# Altium PCB thermal_cam_sensor_jlc.PcbDoc (part 4 of 5)
Units mm, origin at the board's own origin, x right, y up, seen from the top; angles counter-clockwise.
Board outline 100 x 100 mm, 6 copper layers (Top Layer, GND1, Power1, Power2, GND2, Bottom Layer), stack 1.538 mm thick; 1209 components, 122 nets, 3633 pads, 2406 vias.
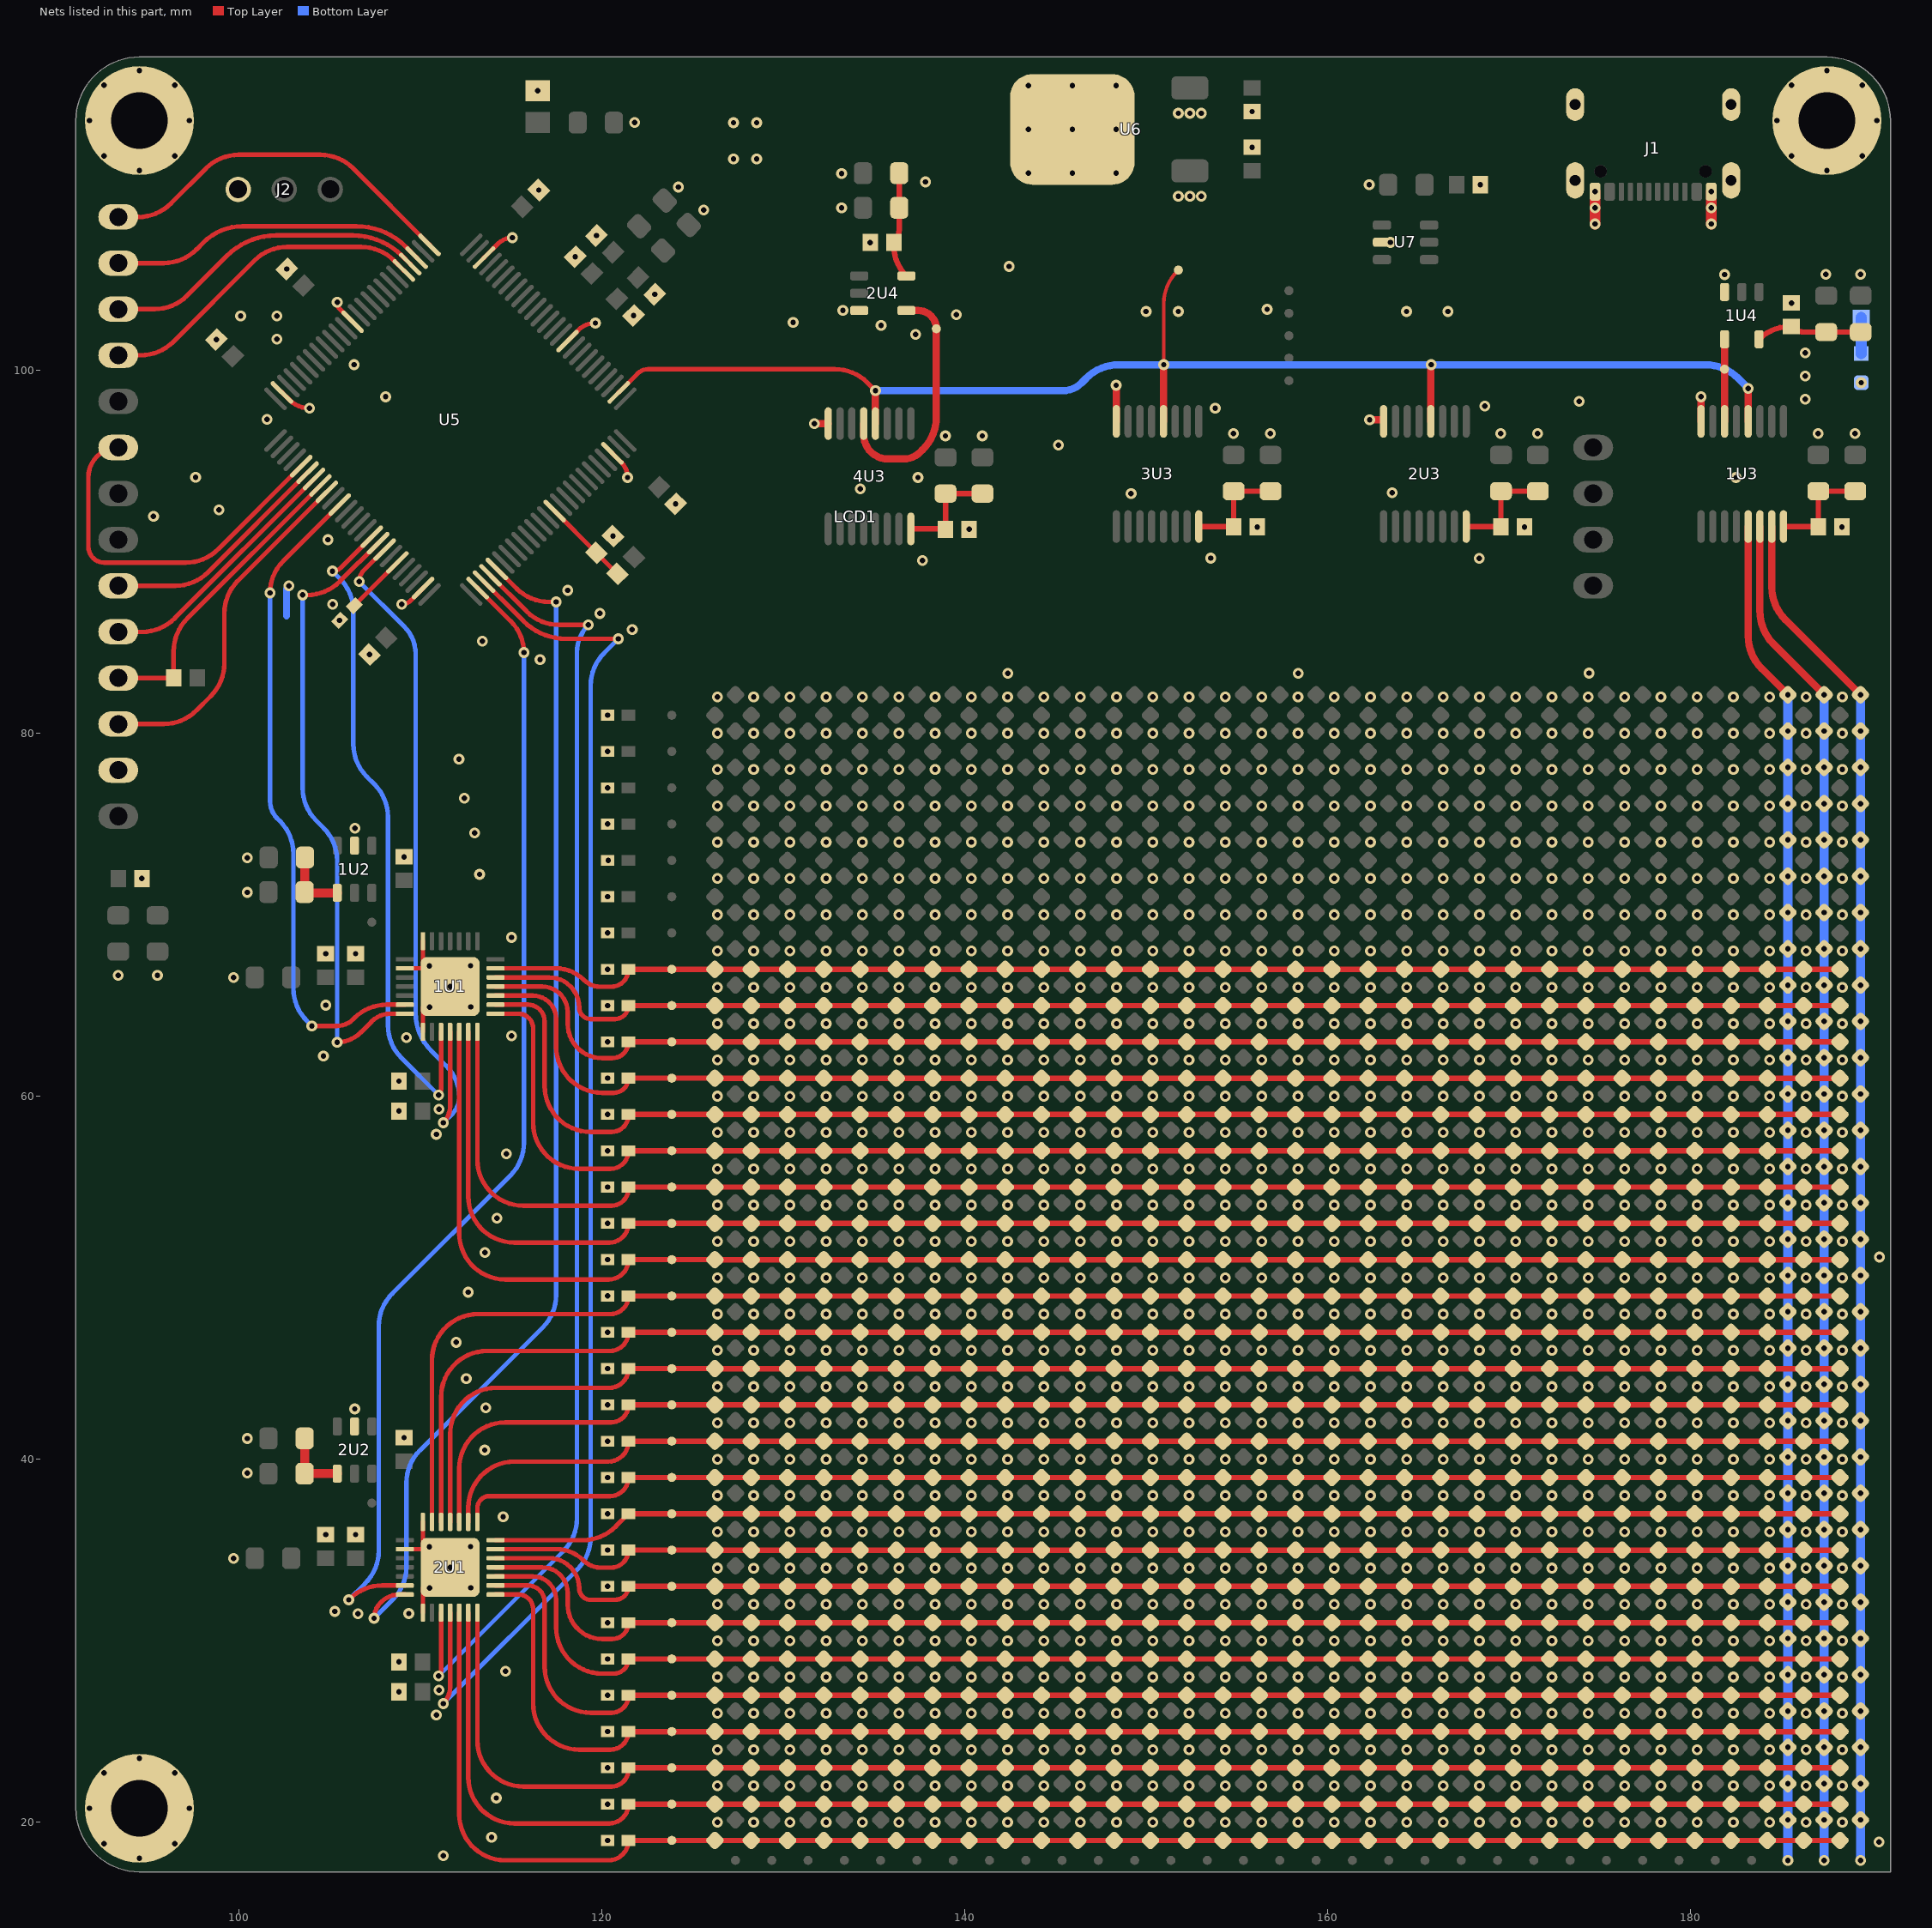
[diagram p8: the nets of this part, all layers, seen from the top]

## Via types
v1: diameter 0.6, hole 0.3, Top Layer to Bottom Layer, tented both sides, 2382 vias
v2: diameter 0.4, hole 0.3, Top Layer to Bottom Layer, 24 vias

## Nets (pads, with @x,y where several pads share a name; then routed paths per layer and width w, separated by ;. In a path a pad name is that pad's centre, name@x,y a point inside that pad or via, vN(x,y) a via of type N, cw(c..) or ccw(c..) an arc to the next point about the centre after c; other vN are vias at no path point) (continued)
COL7: 1R9.2 1TP9.0 1U1.6 T8.2 T40.2 T72.2 T104.2 T136.2 T168.2 T200.2 T232.2 T264.2 T296.2 T328.2 T360.2 T392.2 T424.2 T456.2 T488.2 T520.2 T552.2 T584.2 T616.2 T648.2 T680.2 T712.2 T744.2 T776.2 T808.2 T840.2 T872.2 T904.2 T936.2 T968.2 T1000.2 | length 74.9
  Top Layer w0.25: 1U1.6@114.133,67.056 117.467,67.056 cw(c117.467,64.889) 118.999,66.421 ccw(c119.919,67.341) 119.919,66.04 120.496,66.04 ccw(c120.496,67.006) 1R9.2@121.462,67.006
  Top Layer w0.3: 1R9.2@121.462,67.006 126.222,67.006 T1000.2@126.226,67.002 T8.2@188.226,67.002
COL8: 1R8.1 1TP8.0 1U1.5 T9.2 T41.2 T73.2 T105.2 T137.2 T169.2 T201.2 T233.2 T265.2 T297.2 T329.2 T361.2 T393.2 T425.2 T457.2 T489.2 T521.2 T553.2 T585.2 T617.2 T649.2 T681.2 T713.2 T745.2 T777.2 T809.2 T841.2 T873.2 T905.2 T937.2 T969.2 T1001.2 | length 75.8
  Top Layer w0.25: 1U1.5@114.133,66.556 117.086,66.556 cw(c117.086,64.897) 118.745,64.897 ccw(c119.38,64.897) 119.38,64.262 120.718,64.262 ccw(c120.718,65.006) 1R8.1@121.462,65.006
  Top Layer w0.3: 1R8.1@121.466,65.002 T9.2@188.226,65.002
COL9: 1R7.1 1TP7.0 1U1.4 T10.2 T42.2 T74.2 T106.2 T138.2 T170.2 T202.2 T234.2 T266.2 T298.2 T330.2 T362.2 T394.2 T426.2 T458.2 T490.2 T522.2 T554.2 T586.2 T618.2 T650.2 T682.2 T714.2 T746.2 T778.2 T810.2 T842.2 T874.2 T906.2 T938.2 T970.2 T1002.2 | length 77.1
  Top Layer w0.25: 1U1.4@114.133,66.056 116.697,66.056 cw(c116.697,64.643) 118.11,64.643 118.11,64.008 ccw(c120.015,64.008) 120.015,62.103 120.559,62.103 ccw(c120.559,63.006) 1R7.1@121.462,63.006
  Top Layer w0.3: 1R7.1@121.462,63.006 126.222,63.006 T1002.2@126.226,63.002 T10.2@188.226,63.002
COL10: 1R6.1 1TP6.0 1U1.3 T11.2 T43.2 T75.2 T107.2 T139.2 T171.2 T203.2 T235.2 T267.2 T299.2 T331.2 T363.2 T395.2 T427.2 T459.2 T491.2 T523.2 T555.2 T587.2 T619.2 T651.2 T683.2 T715.2 T747.2 T779.2 T811.2 T843.2 T875.2 T907.2 T939.2 T971.2 T1003.2 | length 78.3
  Top Layer w0.25: 1U1.3@114.133,65.556 116.181,65.556 cw(c116.181,64.262) 117.475,64.262 117.475,62.738 ccw(c120.015,62.738) 120.015,60.198 120.654,60.198 ccw(c120.654,61.006) 1R6.1@121.462,61.006
  Top Layer w0.3: 1R6.1@121.462,61.006 126.222,61.006 T1003.2@126.226,61.002 T11.2@188.226,61.002
COL11: 1R5.1 1TP5.0 1U1.2 T12.2 T44.2 T76.2 T108.2 T140.2 T172.2 T204.2 T236.2 T268.2 T300.2 T332.2 T364.2 T396.2 T428.2 T460.2 T492.2 T524.2 T556.2 T588.2 T620.2 T652.2 T684.2 T716.2 T748.2 T780.2 T812.2 T844.2 T876.2 T908.2 T940.2 T972.2 T1004.2 | length 80.2
  Top Layer w0.25: 1U1.2@114.133,65.056 115.919,65.056 cw(c115.919,64.135) 116.84,64.135 116.84,60.579 ccw(c119.38,60.579) 119.38,58.039 120.523,58.039 ccw(c120.523,58.978) 121.462,58.978 1R5.1@121.462,59.006
  Top Layer w0.3: 1R5.1@121.462,59.006 126.222,59.006 T1004.2@126.226,59.002 T12.2@188.226,59.002
COL12: 1R4.1 1TP4.0 1U1.1 T13.2 T45.2 T77.2 T109.2 T141.2 T173.2 T205.2 T237.2 T269.2 T301.2 T333.2 T365.2 T397.2 T429.2 T461.2 T493.2 T525.2 T557.2 T589.2 T621.2 T653.2 T685.2 T717.2 T749.2 T781.2 T813.2 T845.2 T877.2 T909.2 T941.2 T973.2 T1005.2 | length 81.8
  Top Layer w0.25: 1U1.1@114.133,64.556 115.403,64.556 cw(c115.403,63.754) 116.205,63.754 116.205,58.547 ccw(c118.745,58.547) 118.745,56.007 120.463,56.007 ccw(c120.463,57.006) 1R4.1@121.462,57.006
  Top Layer w0.3: 1R4.1@121.466,57.002 T13.2@188.226,57.002 ; T1005.2@126.222,57.006 T1005.2@126.226,57.002
COL13: 1R3.1 1TP3.0 1U1.28 T14.2 T46.2 T78.2 T110.2 T142.2 T174.2 T206.2 T238.2 T270.2 T302.2 T334.2 T366.2 T398.2 T430.2 T462.2 T494.2 T526.2 T558.2 T590.2 T622.2 T654.2 T686.2 T718.2 T750.2 T782.2 T814.2 T846.2 T878.2 T910.2 T942.2 T974.2 T1006.2 | length 84.2
  Top Layer w0.25: 1U1.28@113.133,63.556 113.133,56.515 ccw(c115.673,56.515) 115.673,53.975 120.523,53.975 ccw(c120.523,54.914) 121.462,54.914 1R3.1@121.462,55.006
  Top Layer w0.3: 1R3.1@121.462,55.006 T1006.2@126.222,55.006 ; T14.2@188.226,55.002 T1006.2@126.226,55.002 ; T1006.2@126.222,55.006 T1006.2@126.226,55.002 ; T1006.2@126.222,55.006 T1006.2@126.226,55.002
COL14: 1R2.1 1TP2.0 1U1.27 T15.2 T47.2 T79.2 T111.2 T143.2 T175.2 T207.2 T239.2 T271.2 T303.2 T335.2 T367.2 T399.2 T431.2 T463.2 T495.2 T527.2 T559.2 T591.2 T623.2 T655.2 T687.2 T719.2 T751.2 T783.2 T815.2 T847.2 T879.2 T911.2 T943.2 T975.2 T1007.2 | length 86.7
  Top Layer w0.25: 1U1.27@112.633,63.556 112.633,54.483 ccw(c115.173,54.483) 115.173,51.943 120.399,51.943 ccw(c120.399,53.006) 1R2.1@121.462,53.006
  Top Layer w0.3: 1R2.1@121.462,53.006 126.222,53.006 T1007.2@126.226,53.002 T15.2@188.226,53.002
COL15: 1R1.1 1TP1.0 1U1.26 T16.2 T48.2 T80.2 T112.2 T144.2 T176.2 T208.2 T240.2 T272.2 T304.2 T336.2 T368.2 T400.2 T432.2 T464.2 T496.2 T528.2 T560.2 T592.2 T624.2 T656.2 T688.2 T720.2 T752.2 T784.2 T816.2 T848.2 T880.2 T912.2 T944.2 T976.2 T1008.2 | length 89.3
  Top Layer w0.25: 1U1.26@112.133,63.556 112.133,52.451 ccw(c114.673,52.451) 114.673,49.911 120.367,49.911 ccw(c120.367,51.006) 1R1.1@121.462,51.006
  Top Layer w0.3: 1R1.1@121.462,51.006 126.222,51.006 T1008.2@126.226,51.002 T16.2@188.226,51.002
COL16: 2R16.2 2TP16.0 2U1.13 T17.2 T49.2 T81.2 T113.2 T145.2 T177.2 T209.2 T241.2 T273.2 T305.2 T337.2 T369.2 T401.2 T433.2 T465.2 T497.2 T529.2 T561.2 T593.2 T625.2 T657.2 T689.2 T721.2 T753.2 T785.2 T817.2 T849.2 T881.2 T913.2 T945.2 T977.2 T1009.2 | length 88.5
  Top Layer w0.25: 2U1.13@110.633,36.552 110.633,45.466 cw(c113.173,45.466) 113.173,48.006 120.466,48.006 ccw(c120.466,49.002) 2R16.2@121.462,49.002
  Top Layer w0.3: 2R16.2@121.462,49.002 121.466,48.998 126.226,48.998 T17.2@188.226,48.998
COL17: 2R15.2 2TP15.0 2U1.12 T18.2 T50.2 T82.2 T114.2 T146.2 T178.2 T210.2 T242.2 T274.2 T306.2 T338.2 T370.2 T402.2 T434.2 T466.2 T498.2 T530.2 T562.2 T594.2 T626.2 T658.2 T690.2 T722.2 T754.2 T786.2 T818.2 T850.2 T882.2 T914.2 T946.2 T978.2 T1010.2 | length 86
  Top Layer w0.25: 2U1.12@111.133,36.552 111.133,43.434 cw(c113.673,43.434) 113.673,45.974 120.434,45.974 ccw(c120.434,47.002) 2R15.2@121.462,47.002
  Top Layer w0.3: 2R15.2@121.462,47.002 126.222,47.002 126.226,46.998 T18.2@188.226,46.998
COL18: 2R14.2 2TP14.0 2U1.11 T19.2 T51.2 T83.2 T115.2 T147.2 T179.2 T211.2 T243.2 T275.2 T307.2 T339.2 T371.2 T403.2 T435.2 T467.2 T499.2 T531.2 T563.2 T595.2 T627.2 T659.2 T691.2 T723.2 T755.2 T787.2 T819.2 T851.2 T883.2 T915.2 T947.2 T979.2 T1011.2 | length 83.5
  Top Layer w0.25: 2U1.11@111.633,36.552 111.633,41.402 cw(c114.173,41.402) 114.173,43.942 120.402,43.942 ccw(c120.402,45.002) 2R14.2@121.462,45.002
  Top Layer w0.3: 2R14.2@121.462,45.002 126.222,45.002 126.226,44.998 T19.2@188.226,44.998
COL19: 2R13.2 2TP13.0 2U1.10 T20.2 T52.2 T84.2 T116.2 T148.2 T180.2 T212.2 T244.2 T276.2 T308.2 T340.2 T372.2 T404.2 T436.2 T468.2 T500.2 T532.2 T564.2 T596.2 T628.2 T660.2 T692.2 T724.2 T756.2 T788.2 T820.2 T852.2 T884.2 T916.2 T948.2 T980.2 T1012.2 | length 81
  Top Layer w0.25: 2U1.10@112.133,36.552 112.133,39.497 cw(c114.673,39.497) 114.673,42.037 120.497,42.037 ccw(c120.497,43.002) 2R13.2@121.462,43.002
  Top Layer w0.3: 2R13.2@121.462,43.002 126.222,43.002 126.226,42.998 186.226,42.998 T20.2@188.226,42.998
COL20: 2R12.2 2TP12.0 2U1.9 T21.2 T53.2 T85.2 T117.2 T149.2 T181.2 T213.2 T245.2 T277.2 T309.2 T341.2 T373.2 T405.2 T437.2 T469.2 T501.2 T533.2 T565.2 T597.2 T629.2 T661.2 T693.2 T725.2 T757.2 T789.2 T821.2 T853.2 T885.2 T917.2 T949.2 T981.2 T1013.2 | length 78.5
  Top Layer w0.25: 2U1.9@112.633,36.552 112.633,37.338 cw(c115.173,37.338) 115.173,39.878 120.346,39.878 ccw(c120.346,40.998) 2R12.2@121.466,40.998
  Top Layer w0.3: 2R12.2@121.466,40.998 T21.2@188.226,40.998 ; T1013.2@126.222,41.002 T1013.2@126.226,40.998
COL21: 2R11.2 2TP11.0 2U1.8 T22.2 T54.2 T86.2 T118.2 T150.2 T182.2 T214.2 T246.2 T278.2 T310.2 T342.2 T374.2 T406.2 T438.2 T470.2 T502.2 T534.2 T566.2 T598.2 T630.2 T662.2 T694.2 T726.2 T758.2 T790.2 T822.2 T854.2 T886.2 T918.2 T950.2 T982.2 T1014.2 | length 76.8
  Top Layer w0.25: 2U1.8@113.133,36.552 113.133,37.314 cw(c113.792,37.314) 113.792,37.973 120.433,37.973 ccw(c120.433,39.002) 2R11.2@121.462,39.002
  Top Layer w0.3: 2R11.2@121.462,39.002 T1014.2@126.222,39.002 ; T22.2@188.226,38.998 T1014.2@126.226,38.998 ; T1014.2@126.222,39.002 T1014.2@126.226,38.998 ; T1014.2@126.222,39.002 T1014.2@126.226,38.998
COL22: 2R10.2 2TP10.0 2U1.7 T23.2 T55.2 T87.2 T119.2 T151.2 T183.2 T215.2 T247.2 T279.2 T311.2 T343.2 T375.2 T407.2 T439.2 T471.2 T503.2 T535.2 T567.2 T599.2 T631.2 T663.2 T695.2 T727.2 T759.2 T791.2 T823.2 T855.2 T887.2 T919.2 T951.2 T983.2 T1015.2 | length 74.6
  Top Layer w0.25: 2U1.7@114.133,35.552 118.96,35.552 ccw(c118.96,38.092) 120.756,36.296 2R10.2@121.462,37.002
  Top Layer w0.3: 2R10.2@121.462,37.002 126.222,37.002 126.226,36.998 T23.2@188.226,36.998
COL23: 2R9.2 2TP9.0 2U1.6 T24.2 T56.2 T88.2 T120.2 T152.2 T184.2 T216.2 T248.2 T280.2 T312.2 T344.2 T376.2 T408.2 T440.2 T472.2 T504.2 T536.2 T568.2 T600.2 T632.2 T664.2 T696.2 T728.2 T760.2 T792.2 T824.2 T856.2 T888.2 T920.2 T952.2 T984.2 T1016.2 | length 74.9
  Top Layer w0.25: 2U1.6@114.133,35.052 117.467,35.052 cw(c117.467,32.885) 118.999,34.417 ccw(c119.919,35.337) 119.919,34.036 120.496,34.036 ccw(c120.496,35.002) 2R9.2@121.462,35.002
  Top Layer w0.3: 2R9.2@121.462,35.002 126.222,35.002 126.226,34.998 T24.2@188.226,34.998
COL24: 2R8.1 2TP8.0 2U1.5 T25.2 T57.2 T89.2 T121.2 T153.2 T185.2 T217.2 T249.2 T281.2 T313.2 T345.2 T377.2 T409.2 T441.2 T473.2 T505.2 T537.2 T569.2 T601.2 T633.2 T665.2 T697.2 T729.2 T761.2 T793.2 T825.2 T857.2 T889.2 T921.2 T953.2 T985.2 T1017.2 | length 75.8
  Top Layer w0.25: 2U1.5@114.133,34.552 117.086,34.552 cw(c117.086,32.893) 118.745,32.893 ccw(c119.38,32.893) 119.38,32.258 120.718,32.258 ccw(c120.718,33.002) 2R8.1@121.462,33.002
  Top Layer w0.3: 2R8.1@121.466,32.998 T25.2@188.226,32.998
COL25: 2R7.1 2TP7.0 2U1.4 T26.2 T58.2 T90.2 T122.2 T154.2 T186.2 T218.2 T250.2 T282.2 T314.2 T346.2 T378.2 T410.2 T442.2 T474.2 T506.2 T538.2 T570.2 T602.2 T634.2 T666.2 T698.2 T730.2 T762.2 T794.2 T826.2 T858.2 T890.2 T922.2 T954.2 T986.2 T1018.2 | length 77.1
  Top Layer w0.25: 2U1.4@114.133,34.052 116.697,34.052 cw(c116.697,32.639) 118.11,32.639 118.11,32.004 ccw(c120.015,32.004) 120.015,30.099 120.559,30.099 ccw(c120.559,31.002) 2R7.1@121.462,31.002
  Top Layer w0.3: 2R7.1@121.462,31.002 126.222,31.002 126.226,30.998 T26.2@188.226,30.998
COL26: 2R6.1 2TP6.0 2U1.3 T27.2 T59.2 T91.2 T123.2 T155.2 T187.2 T219.2 T251.2 T283.2 T315.2 T347.2 T379.2 T411.2 T443.2 T475.2 T507.2 T539.2 T571.2 T603.2 T635.2 T667.2 T699.2 T731.2 T763.2 T795.2 T827.2 T859.2 T891.2 T923.2 T955.2 T987.2 T1019.2 | length 78.3
  Top Layer w0.25: 2U1.3@114.133,33.552 116.181,33.552 cw(c116.181,32.258) 117.475,32.258 117.475,30.734 ccw(c120.015,30.734) 120.015,28.194 120.654,28.194 ccw(c120.654,29.002) 2R6.1@121.462,29.002
  Top Layer w0.3: 2R6.1@121.462,29.002 126.222,29.002 126.226,28.998 T27.2@188.226,28.998
COL27: 2R5.1 2TP5.0 2U1.2 T28.2 T60.2 T92.2 T124.2 T156.2 T188.2 T220.2 T252.2 T284.2 T316.2 T348.2 T380.2 T412.2 T444.2 T476.2 T508.2 T540.2 T572.2 T604.2 T636.2 T668.2 T700.2 T732.2 T764.2 T796.2 T828.2 T860.2 T892.2 T924.2 T956.2 T988.2 T1020.2 | length 80.2
  Top Layer w0.25: 2U1.2@114.133,33.052 115.919,33.052 cw(c115.919,32.131) 116.84,32.131 116.84,28.575 ccw(c119.38,28.575) 119.38,26.035 120.523,26.035 ccw(c120.523,26.974) 121.462,26.974 2R5.1@121.462,27.002
  Top Layer w0.3: 2R5.1@121.462,27.002 126.222,27.002 126.226,26.998 T28.2@188.226,26.998
COL28: 2R4.1 2TP4.0 2U1.1 T29.2 T61.2 T93.2 T125.2 T157.2 T189.2 T221.2 T253.2 T285.2 T317.2 T349.2 T381.2 T413.2 T445.2 T477.2 T509.2 T541.2 T573.2 T605.2 T637.2 T669.2 T701.2 T733.2 T765.2 T797.2 T829.2 T861.2 T893.2 T925.2 T957.2 T989.2 T1021.2 | length 81.8
  Top Layer w0.25: 2U1.1@114.133,32.552 115.403,32.552 cw(c115.403,31.75) 116.205,31.75 116.205,26.543 ccw(c118.745,26.543) 118.745,24.003 120.463,24.003 ccw(c120.463,25.002) 2R4.1@121.462,25.002
  Top Layer w0.3: 2R4.1@121.466,24.998 T29.2@188.226,24.998 ; T1021.2@126.222,25.002 T1021.2@126.226,24.998
COL29: 2R3.1 2TP3.0 2U1.28 T30.2 T62.2 T94.2 T126.2 T158.2 T190.2 T222.2 T254.2 T286.2 T318.2 T350.2 T382.2 T414.2 T446.2 T478.2 T510.2 T542.2 T574.2 T606.2 T638.2 T670.2 T702.2 T734.2 T766.2 T798.2 T830.2 T862.2 T894.2 T926.2 T958.2 T990.2 T1022.2 | length 84.2
  Top Layer w0.25: 2U1.28@113.133,31.552 113.133,24.511 ccw(c115.673,24.511) 115.673,21.971 120.523,21.971 ccw(c120.523,22.91) 121.462,22.91 2R3.1@121.462,23.002
  Top Layer w0.3: 2R3.1@121.462,23.002 T1022.2@126.222,23.002 ; T30.2@188.226,22.998 T1022.2@126.226,22.998 ; T1022.2@126.222,23.002 T1022.2@126.226,22.998 ; T1022.2@126.222,23.002 T1022.2@126.226,22.998
COL30: 2R2.1 2TP2.0 2U1.27 T31.2 T63.2 T95.2 T127.2 T159.2 T191.2 T223.2 T255.2 T287.2 T319.2 T351.2 T383.2 T415.2 T447.2 T479.2 T511.2 T543.2 T575.2 T607.2 T639.2 T671.2 T703.2 T735.2 T767.2 T799.2 T831.2 T863.2 T895.2 T927.2 T959.2 T991.2 T1023.2 | length 86.7
  Top Layer w0.25: 2U1.27@112.633,31.552 112.633,22.479 ccw(c115.173,22.479) 115.173,19.939 120.399,19.939 ccw(c120.399,21.002) 2R2.1@121.462,21.002
  Top Layer w0.3: 2R2.1@121.462,21.002 126.222,21.002 126.226,20.998 T31.2@188.226,20.998
COL31: 2R1.1 2TP1.0 2U1.26 T32.2 T64.2 T96.2 T128.2 T160.2 T192.2 T224.2 T256.2 T288.2 T320.2 T352.2 T384.2 T416.2 T448.2 T480.2 T512.2 T544.2 T576.2 T608.2 T640.2 T672.2 T704.2 T736.2 T768.2 T800.2 T832.2 T864.2 T896.2 T928.2 T960.2 T992.2 T1024.2 | length 89.3
  Top Layer w0.25: 2U1.26@112.133,31.552 112.133,20.447 ccw(c114.673,20.447) 114.673,17.907 120.367,17.907 ccw(c120.367,19.002) 2R1.1@121.462,19.002
  Top Layer w0.3: 2R1.1@121.462,19.002 126.222,19.002 126.226,18.998 T32.2@188.226,18.998
GND: 1C1.1 1C2.1 1C3.1 1C4.1 1C5.1 1C6.1 1C7.1 1R1.2 1R2.2 1R3.2 1R4.2 1R5.2 1R6.2 1R7.2 1R8.2 1R9.1 1R10.1 1R11.1 1R12.1 1R13.1 1R14.1 1R15.1 1R16.1 1U1.14 1U1.16 1U1.22 1U1.EP 1U2.2 1U3.8 1U4.3 2C1.1 2C2.1 2C3.1 2C4.1 2C5.1 2C6.1 2C7.1 2R1.2 2R2.2 2R3.2 2R4.2 2R5.2 2R6.2 2R7.2 2R8.2 2R9.1 2R10.1 2R11.1 2R12.1 2R13.1 2R14.1 2R15.1 2R16.1 2U1.14 2U1.16 2U1.22 2U1.EP 2U2.2 2U3.8 2U4.3 3C6.1 3U3.8 4C6.1 4U3.8 C8.1 C9.1 C10.1 C11.1 C12.1 C13.1 C14.1 C15.1 C16.1 C17.1 C18.1 C19.1 C20.1 C21.1 C22.1 J1.A1B12 J1.B1A12 J1.SH1 J1.SH2 J1.SH3 J1.SH4 J2.3 LCD1.2 LED1.2 R18.2 S1.0 S2.0 S3.0 U5.23 U5.35 U5.48 U5.63 U5.74 U5.99 U6.4 U7.2 | length 29.4
  Top Layer w0.25: U5.74@102.364,98.794 102.785,98.373 ccw(c103.886,99.475) v1(103.886,97.917) ; v1(105.41,103.759) ccw(c105.972,103.759) 105.575,103.361 U5.63@106.253,102.683 ; v1(108.966,87.122) ccw(c108.966,87.818) 109.458,87.326 U5.99@110.142,88.01 ; 2U1.16@109.133,35.052 2U1.EP@110.49,35.052 ; 1U1.16@109.133,67.056 110.49,67.056 v1(110.49,67.183) 110.133,67.183 1U1.14@110.133,68.556 ; 2U1.22@110.133,31.552 2U1.EP@110.133,32.909 ; 2U1.EP@110.133,35.179 2U1.14@110.133,36.552 ; 1U1.22@110.133,63.556 110.133,64.913 v1(110.506,64.913) ; U5.48@113.502,106.218 114.27,106.987 cw(c115.062,106.195) v1(115.062,107.315) ; U5.35@118.098,101.622 118.708,102.232 cw(c119.634,101.306) v1(119.634,102.616) ; U5.23@120.573,95.434 121.067,94.94 cw(c120.234,94.107) v1(121.412,94.107)
  Top Layer w0.4: v1(131.699,97.071) 4U3.8@132.472,97.071 ; v1(148.336,99.187) cw(c148.309,99.16) 148.347,99.16 3U3.8@148.347,97.198 ; v1(162.306,97.282) 162.876,97.282 cw(c162.876,96.995) 2U3.8@163.079,97.198 ; 1U3.8@180.569,97.198 v1(180.569,98.552)
  Top Layer w0.6: v1(174.731,108.077) v1(174.731,109.855) ; v1(181.131,108.077) v1(181.131,109.855)
  Bottom Layer w0.4: 102.616,86.487 102.616,87.831 cw(c103.05,87.831) v1(102.743,88.138)